# Altium PCB Bran_Main_Assay_PCB_v1.PcbDoc (part 1 of 4)
Units mil, origin at the board's own origin, x right, y up, seen from the top; angles counter-clockwise.
Board outline 3464.57 x 1881.89 mil, 6 copper layers (TOP, GND1, Singal, POWER, GND2, BOTTOM), stack 47.65 mil thick; 366 components, 309 nets, 1358 pads, 596 vias.
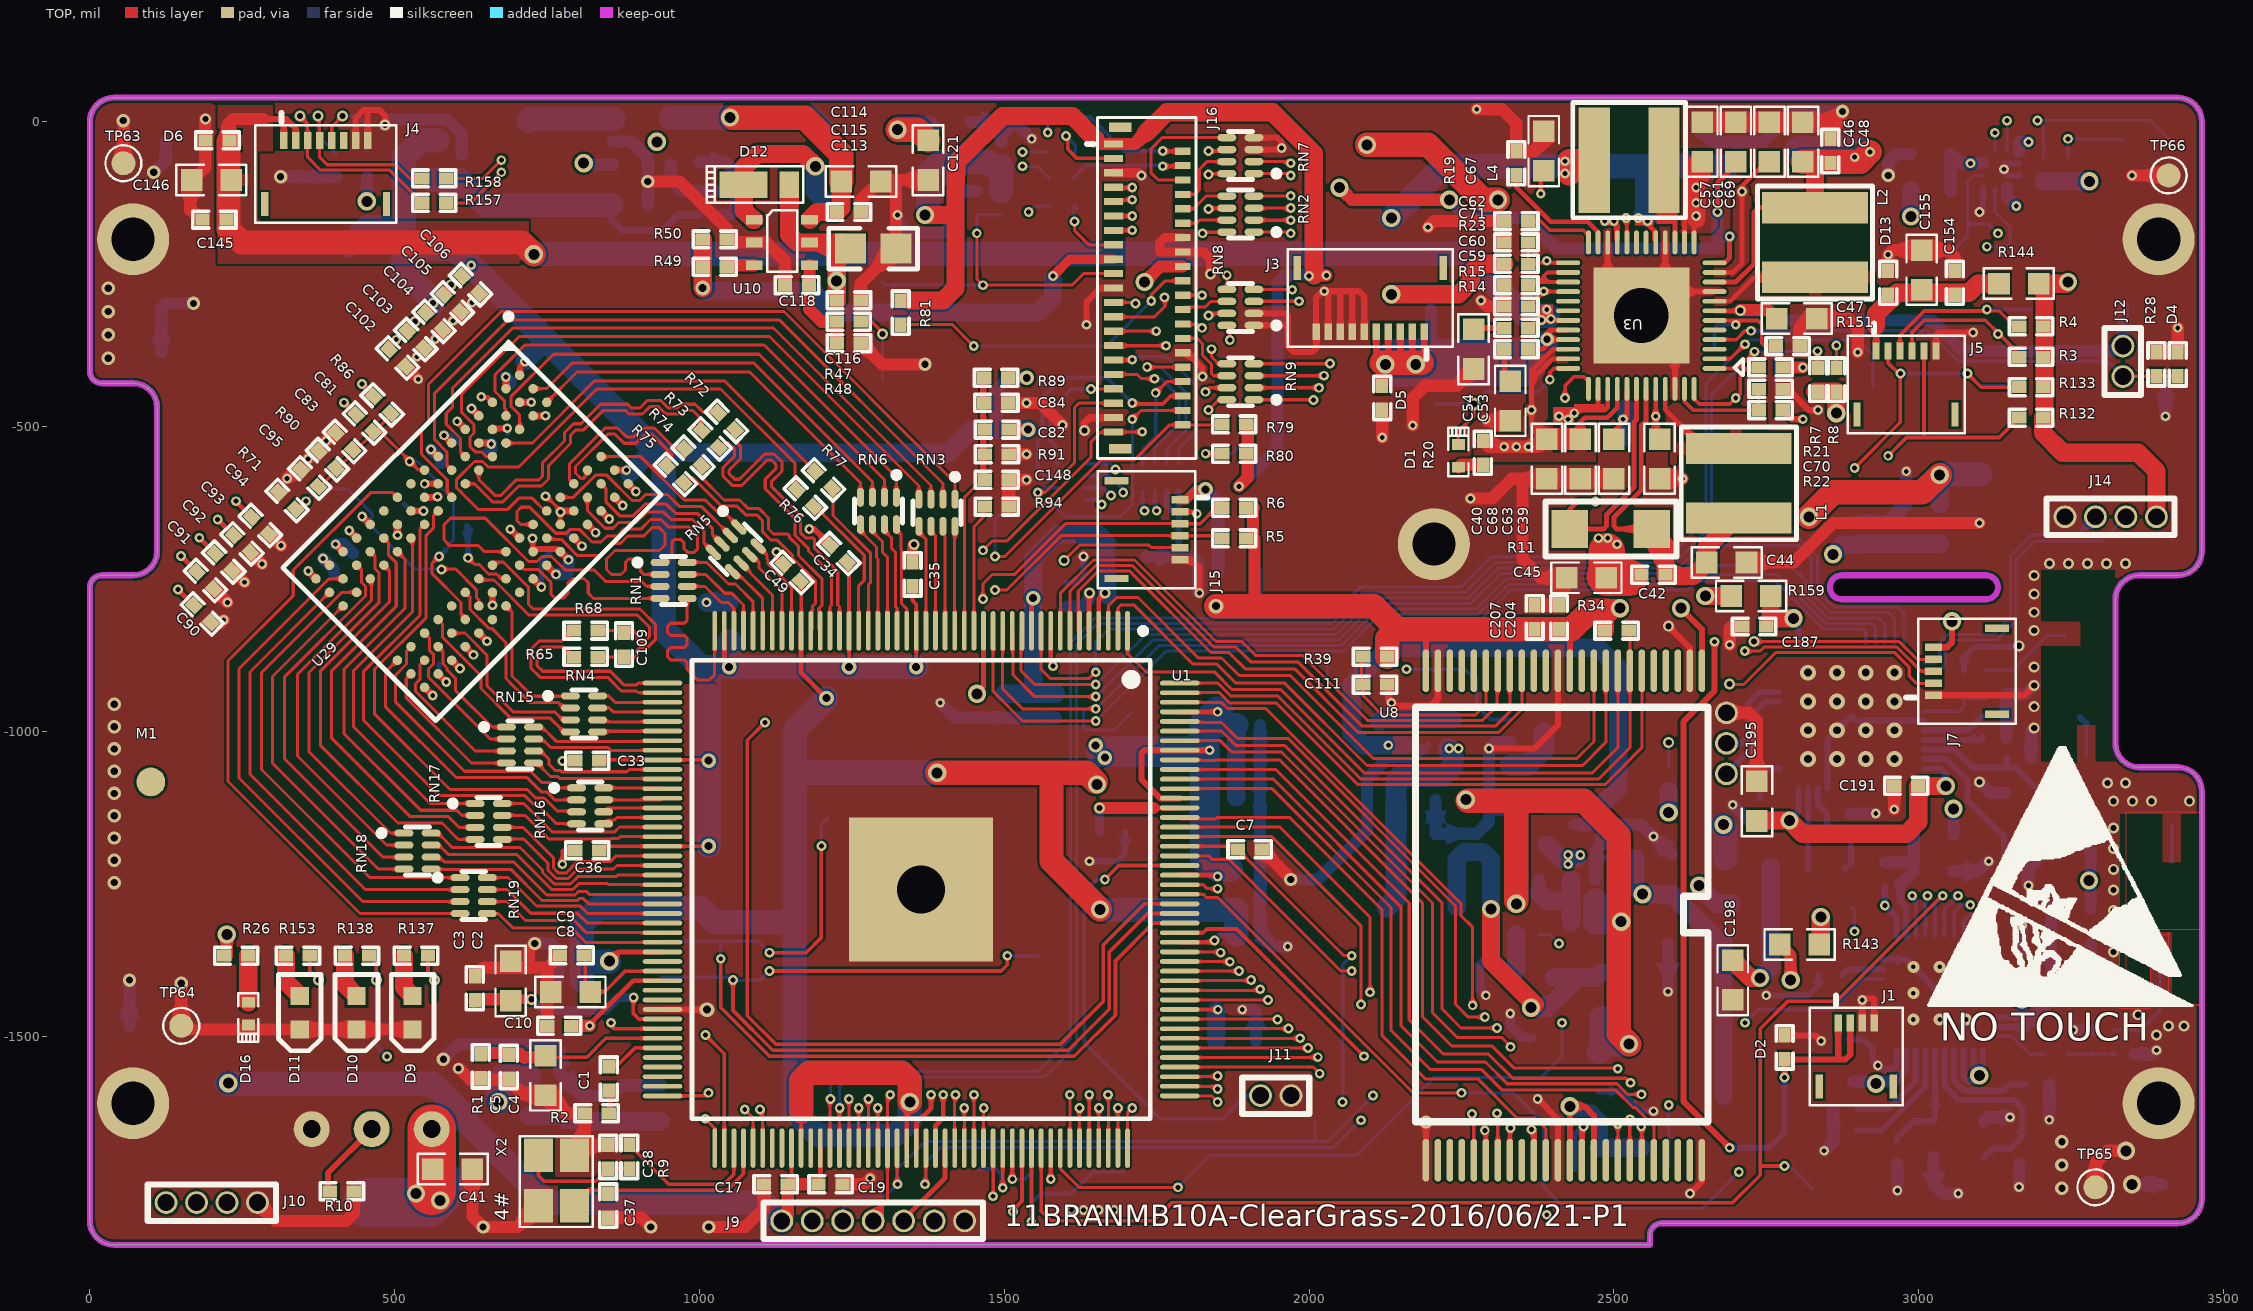
[diagram p0: TOP view]
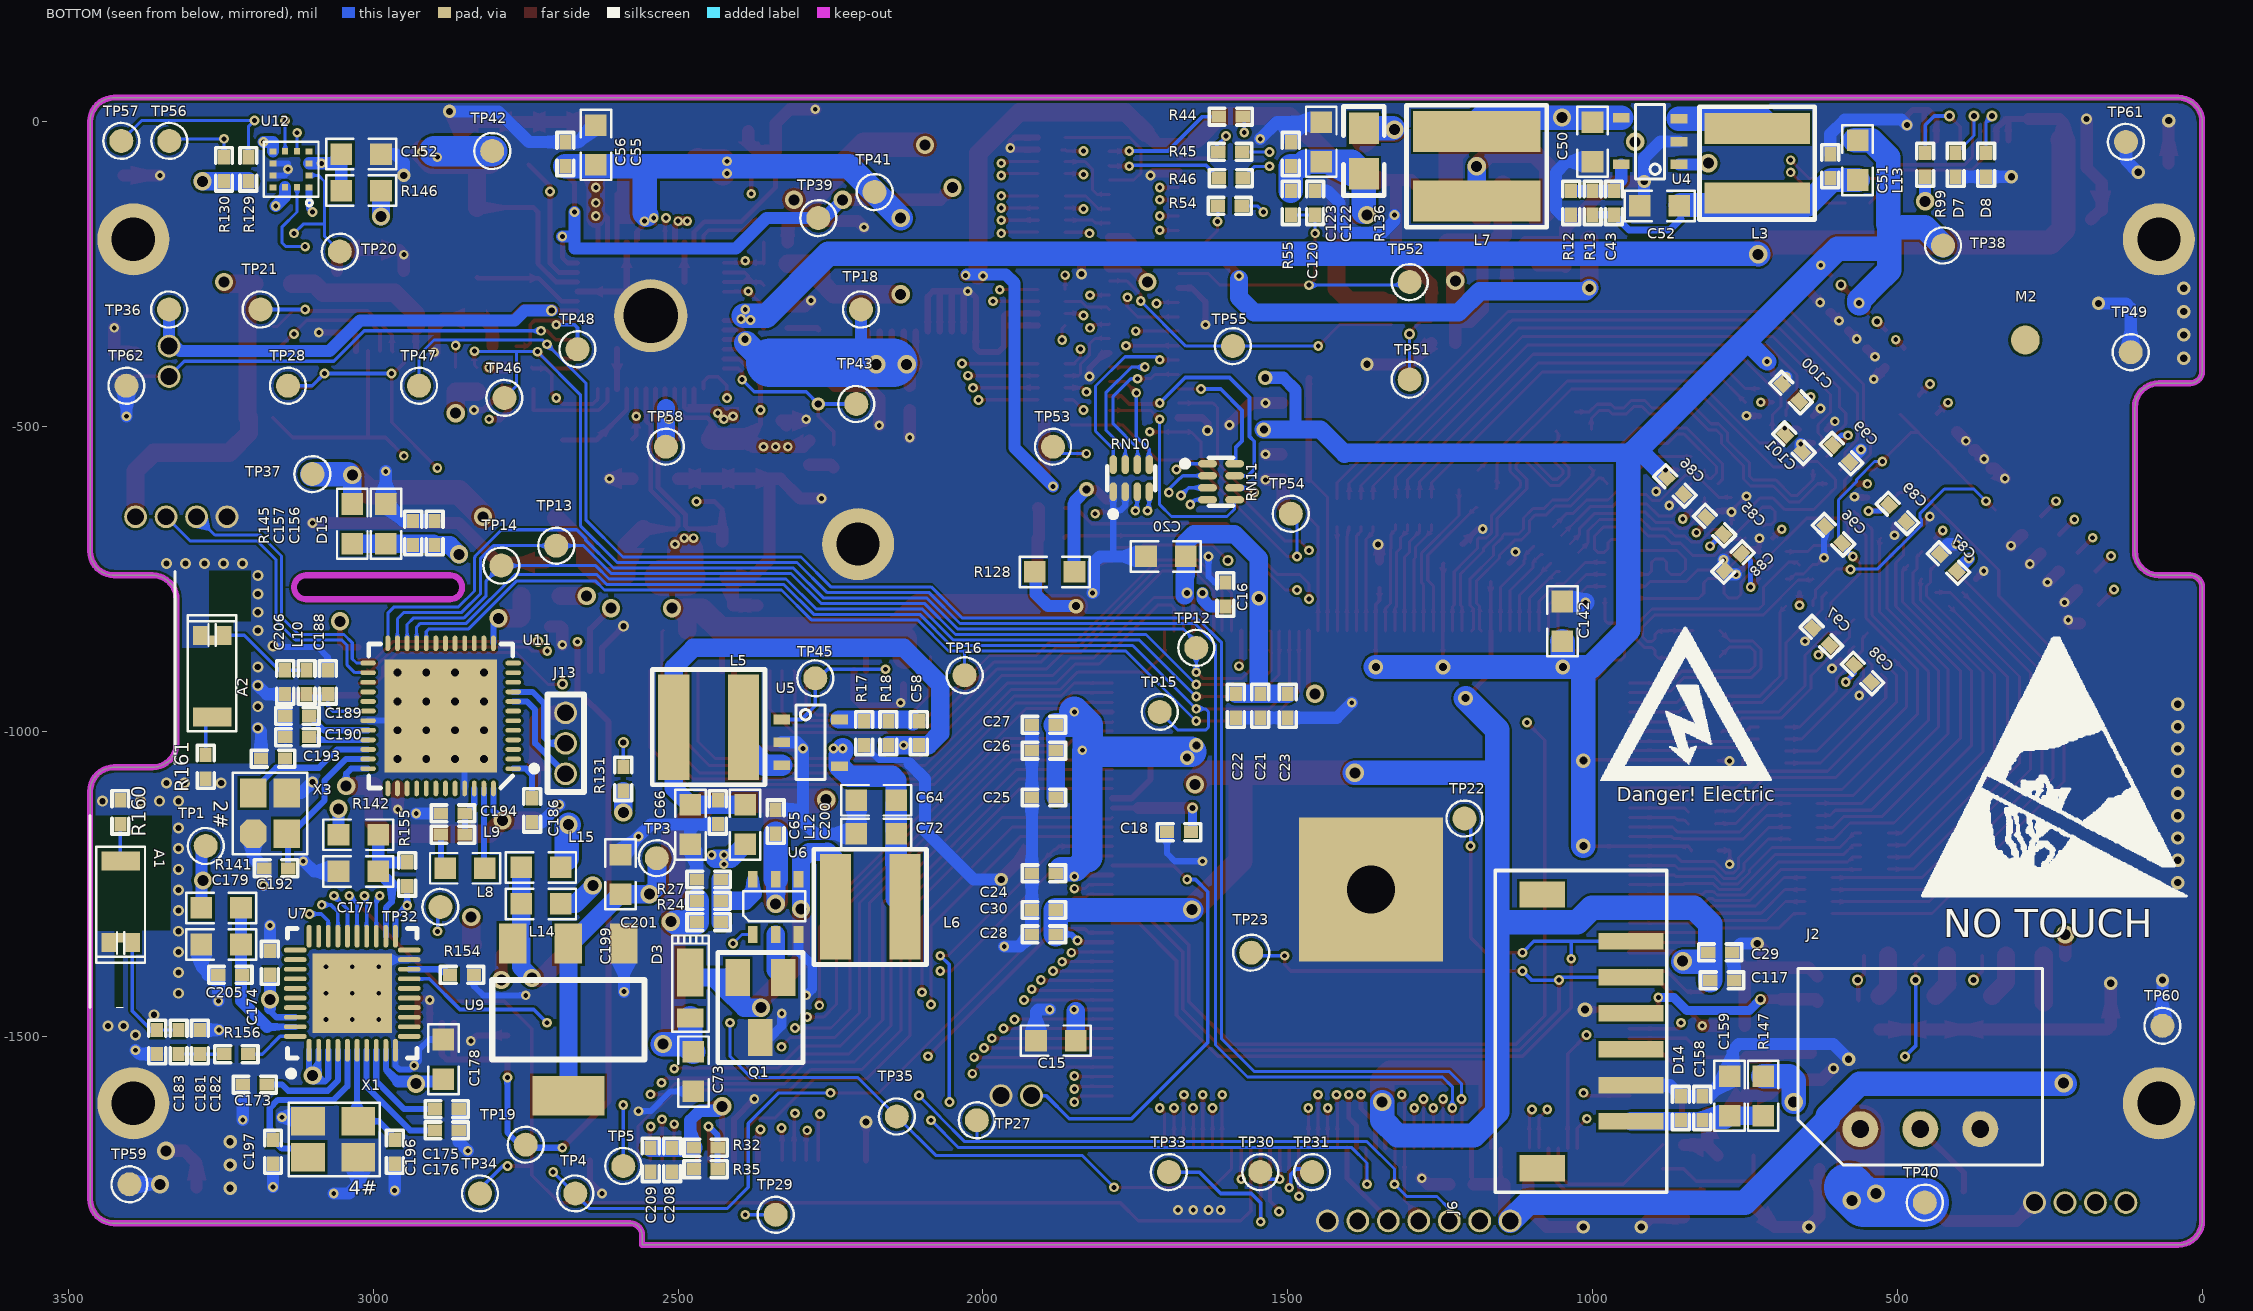
[diagram p1: BOTTOM view, seen from below]
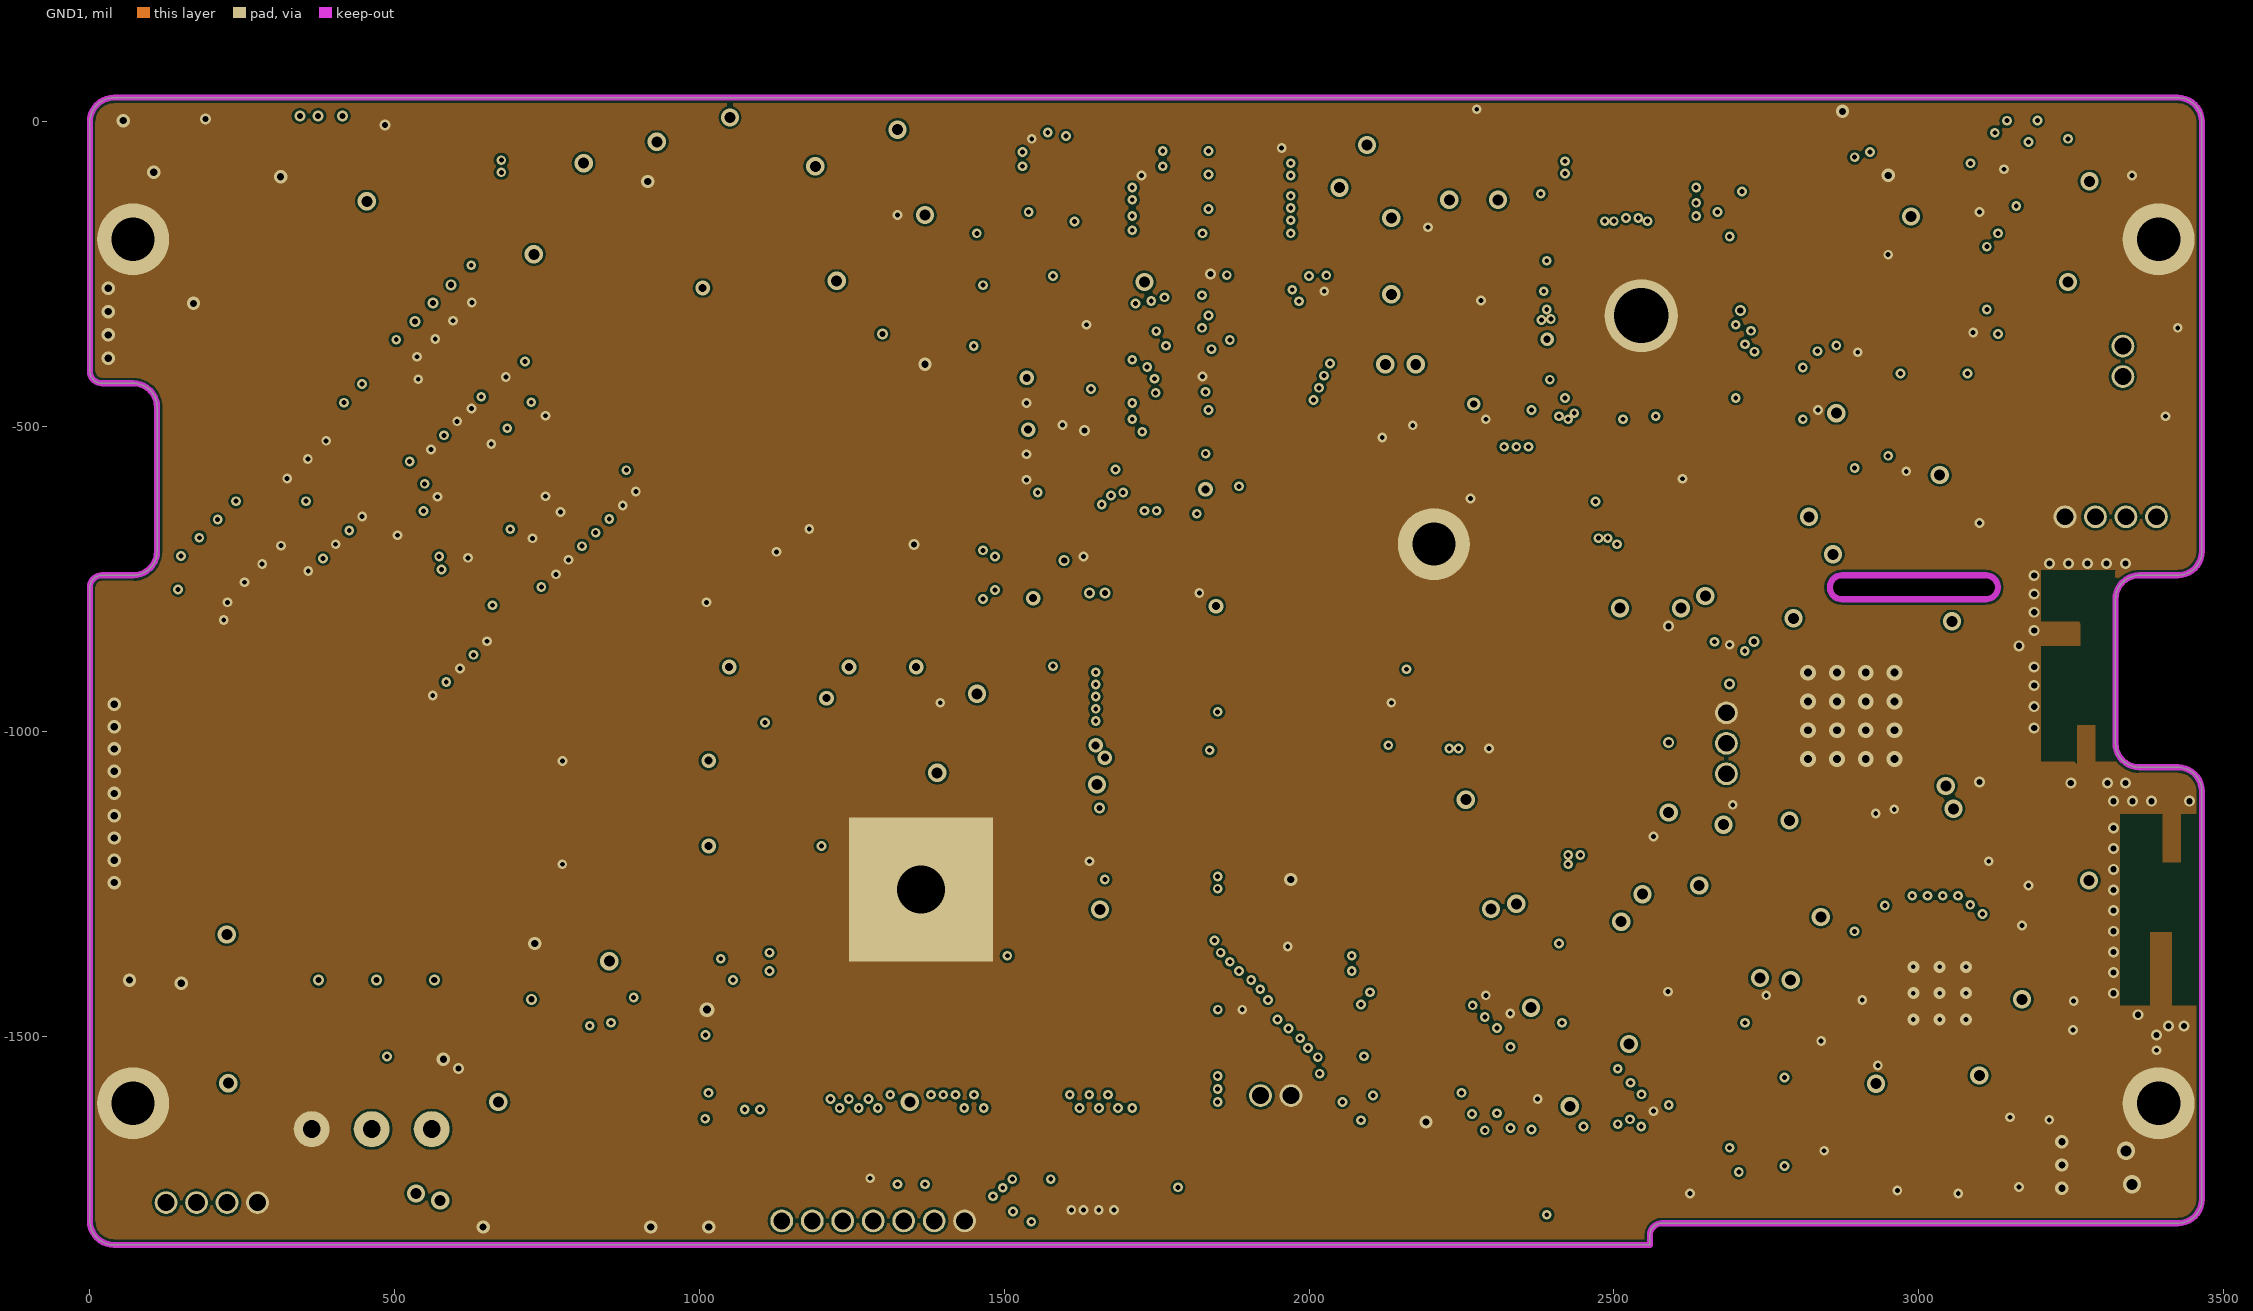
[diagram p2: GND1]
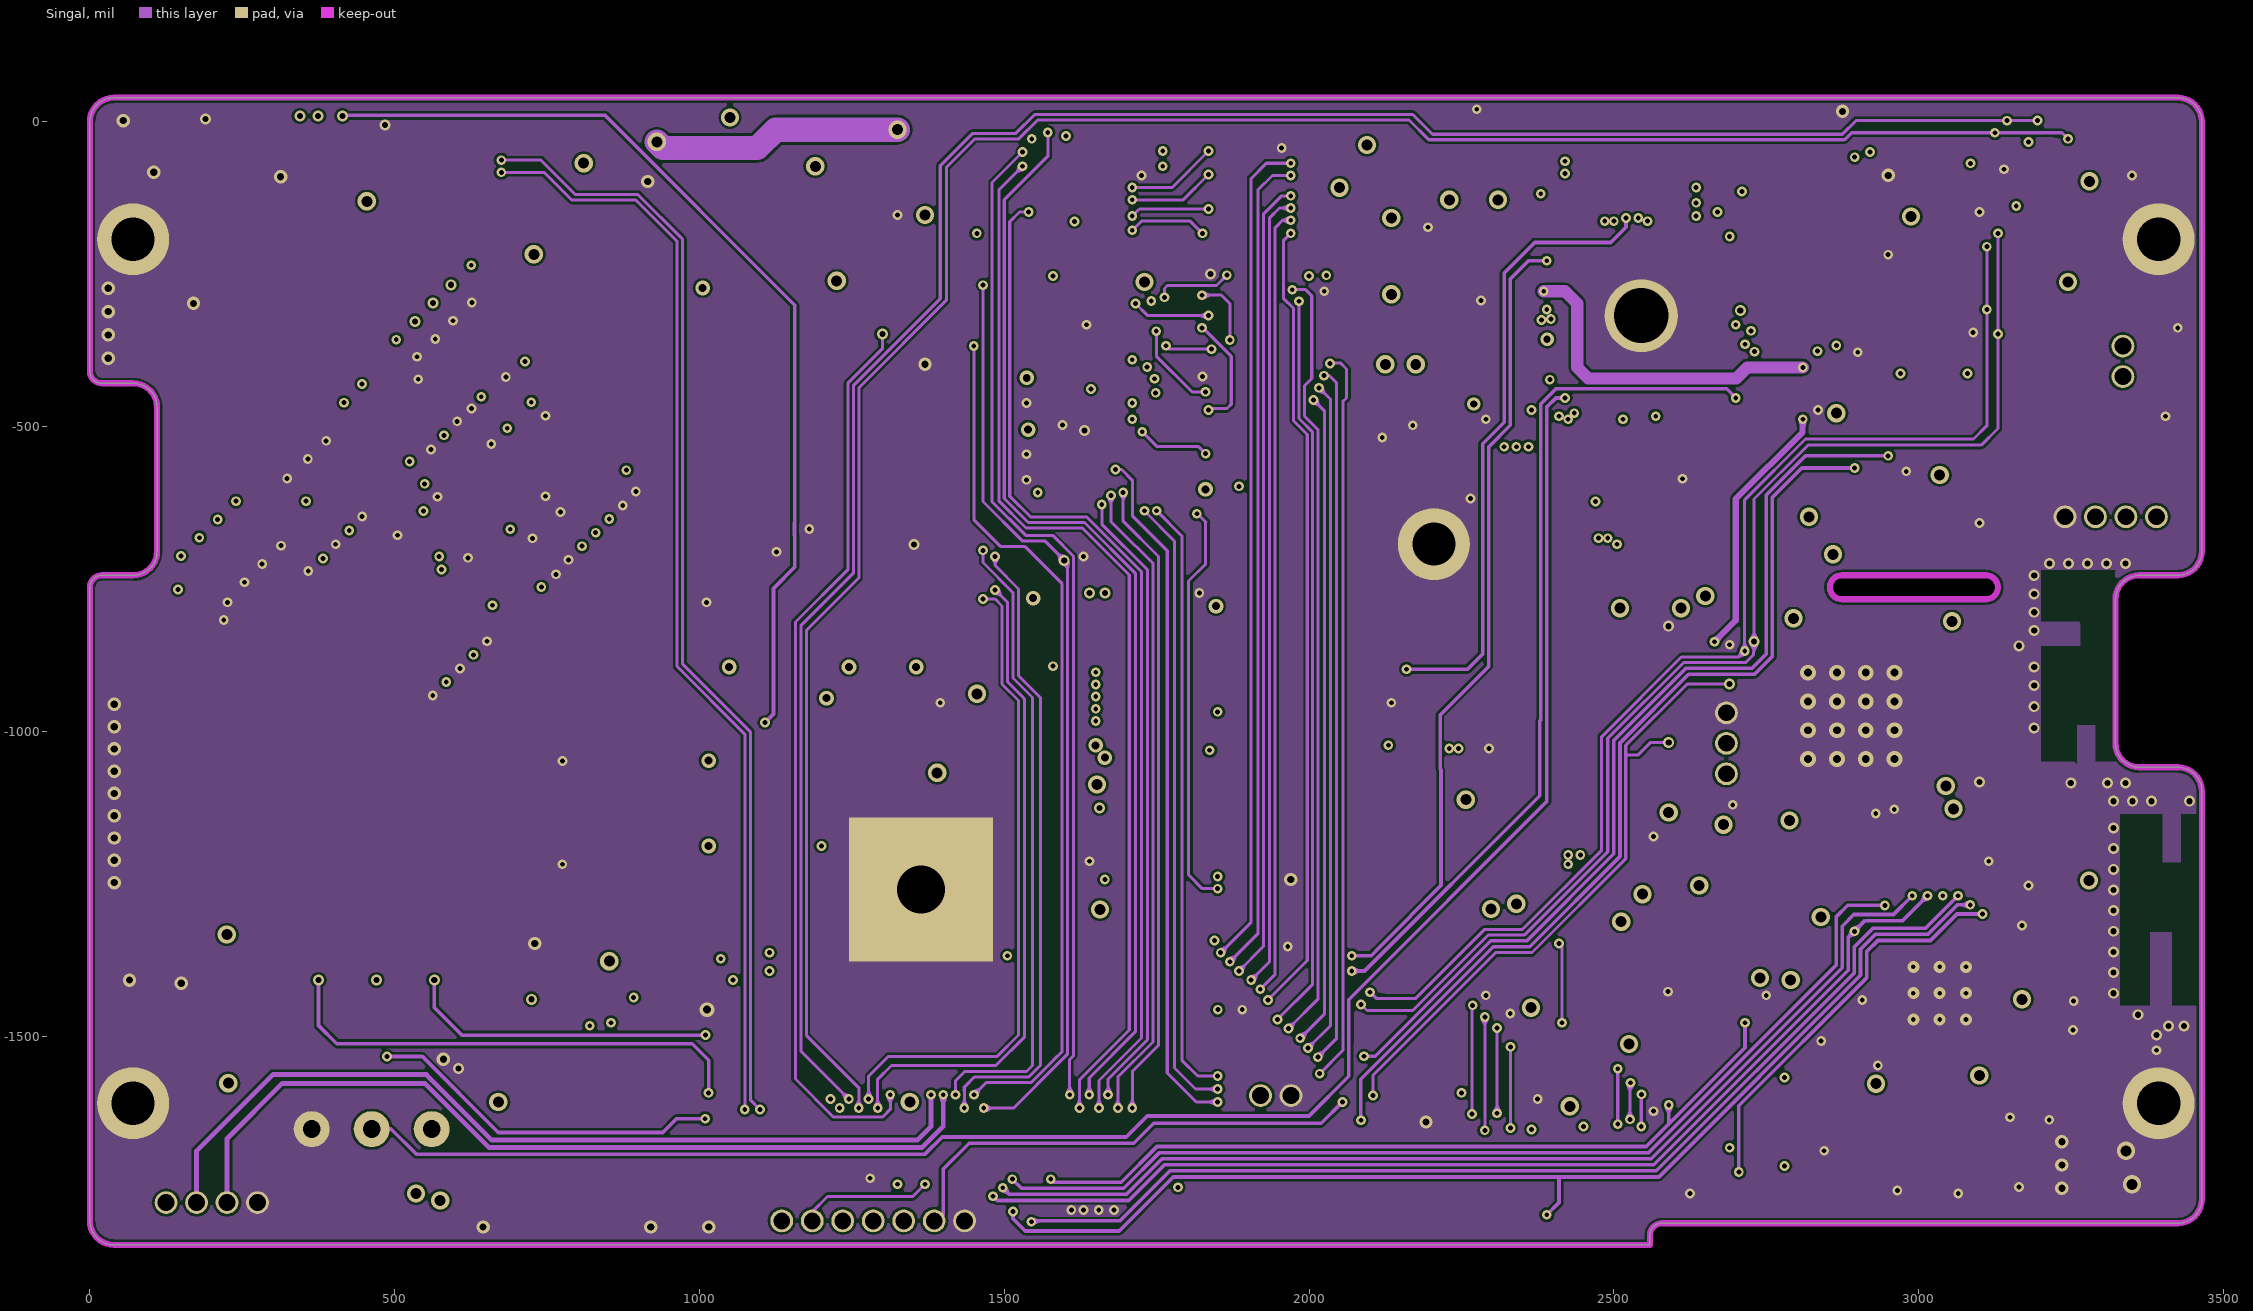
[diagram p3: Singal]